# Altium PCB ASP-1.PcbDoc (part 1 of 3)
Units mm, origin at the board's own origin, x right, y up, seen from the top; angles counter-clockwise.
Board outline 240 x 170 mm, 2 copper layers (Top Layer, Bottom Layer); 307 components, 287 nets, 1387 pads, 381 vias.
Unrouted connection lines stored in the file: 2.
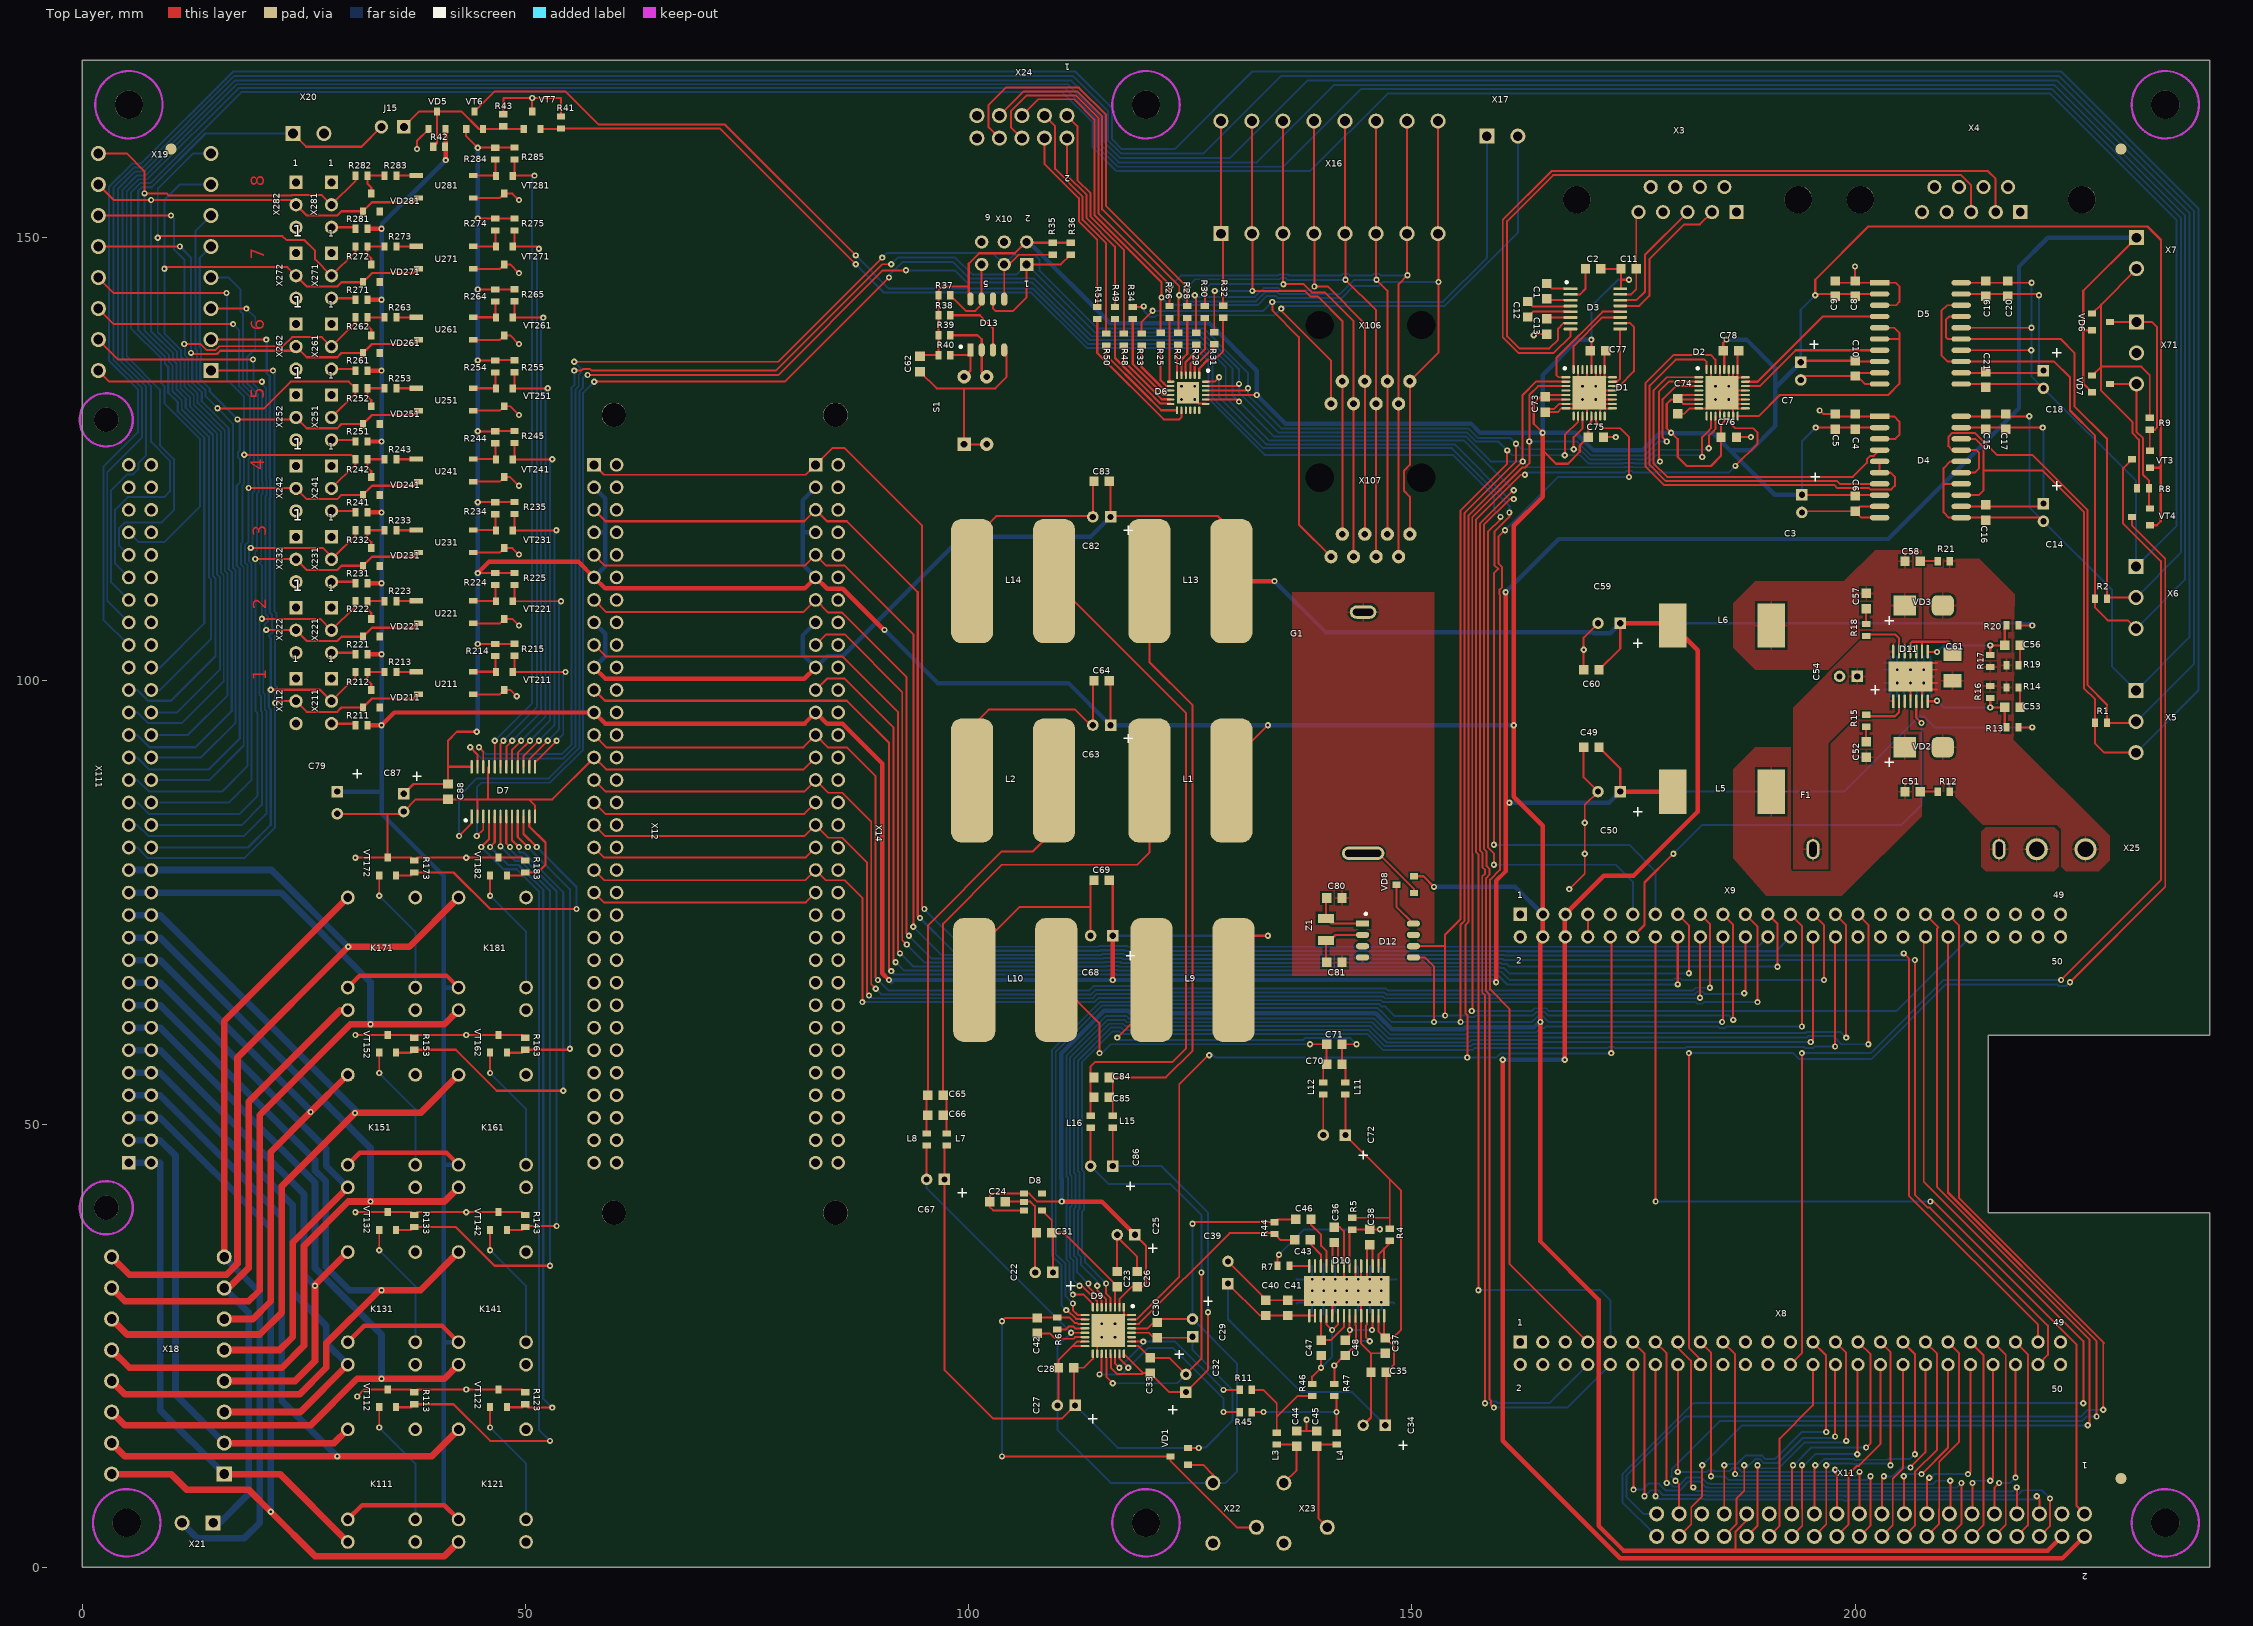
[diagram p0: Top Layer view]
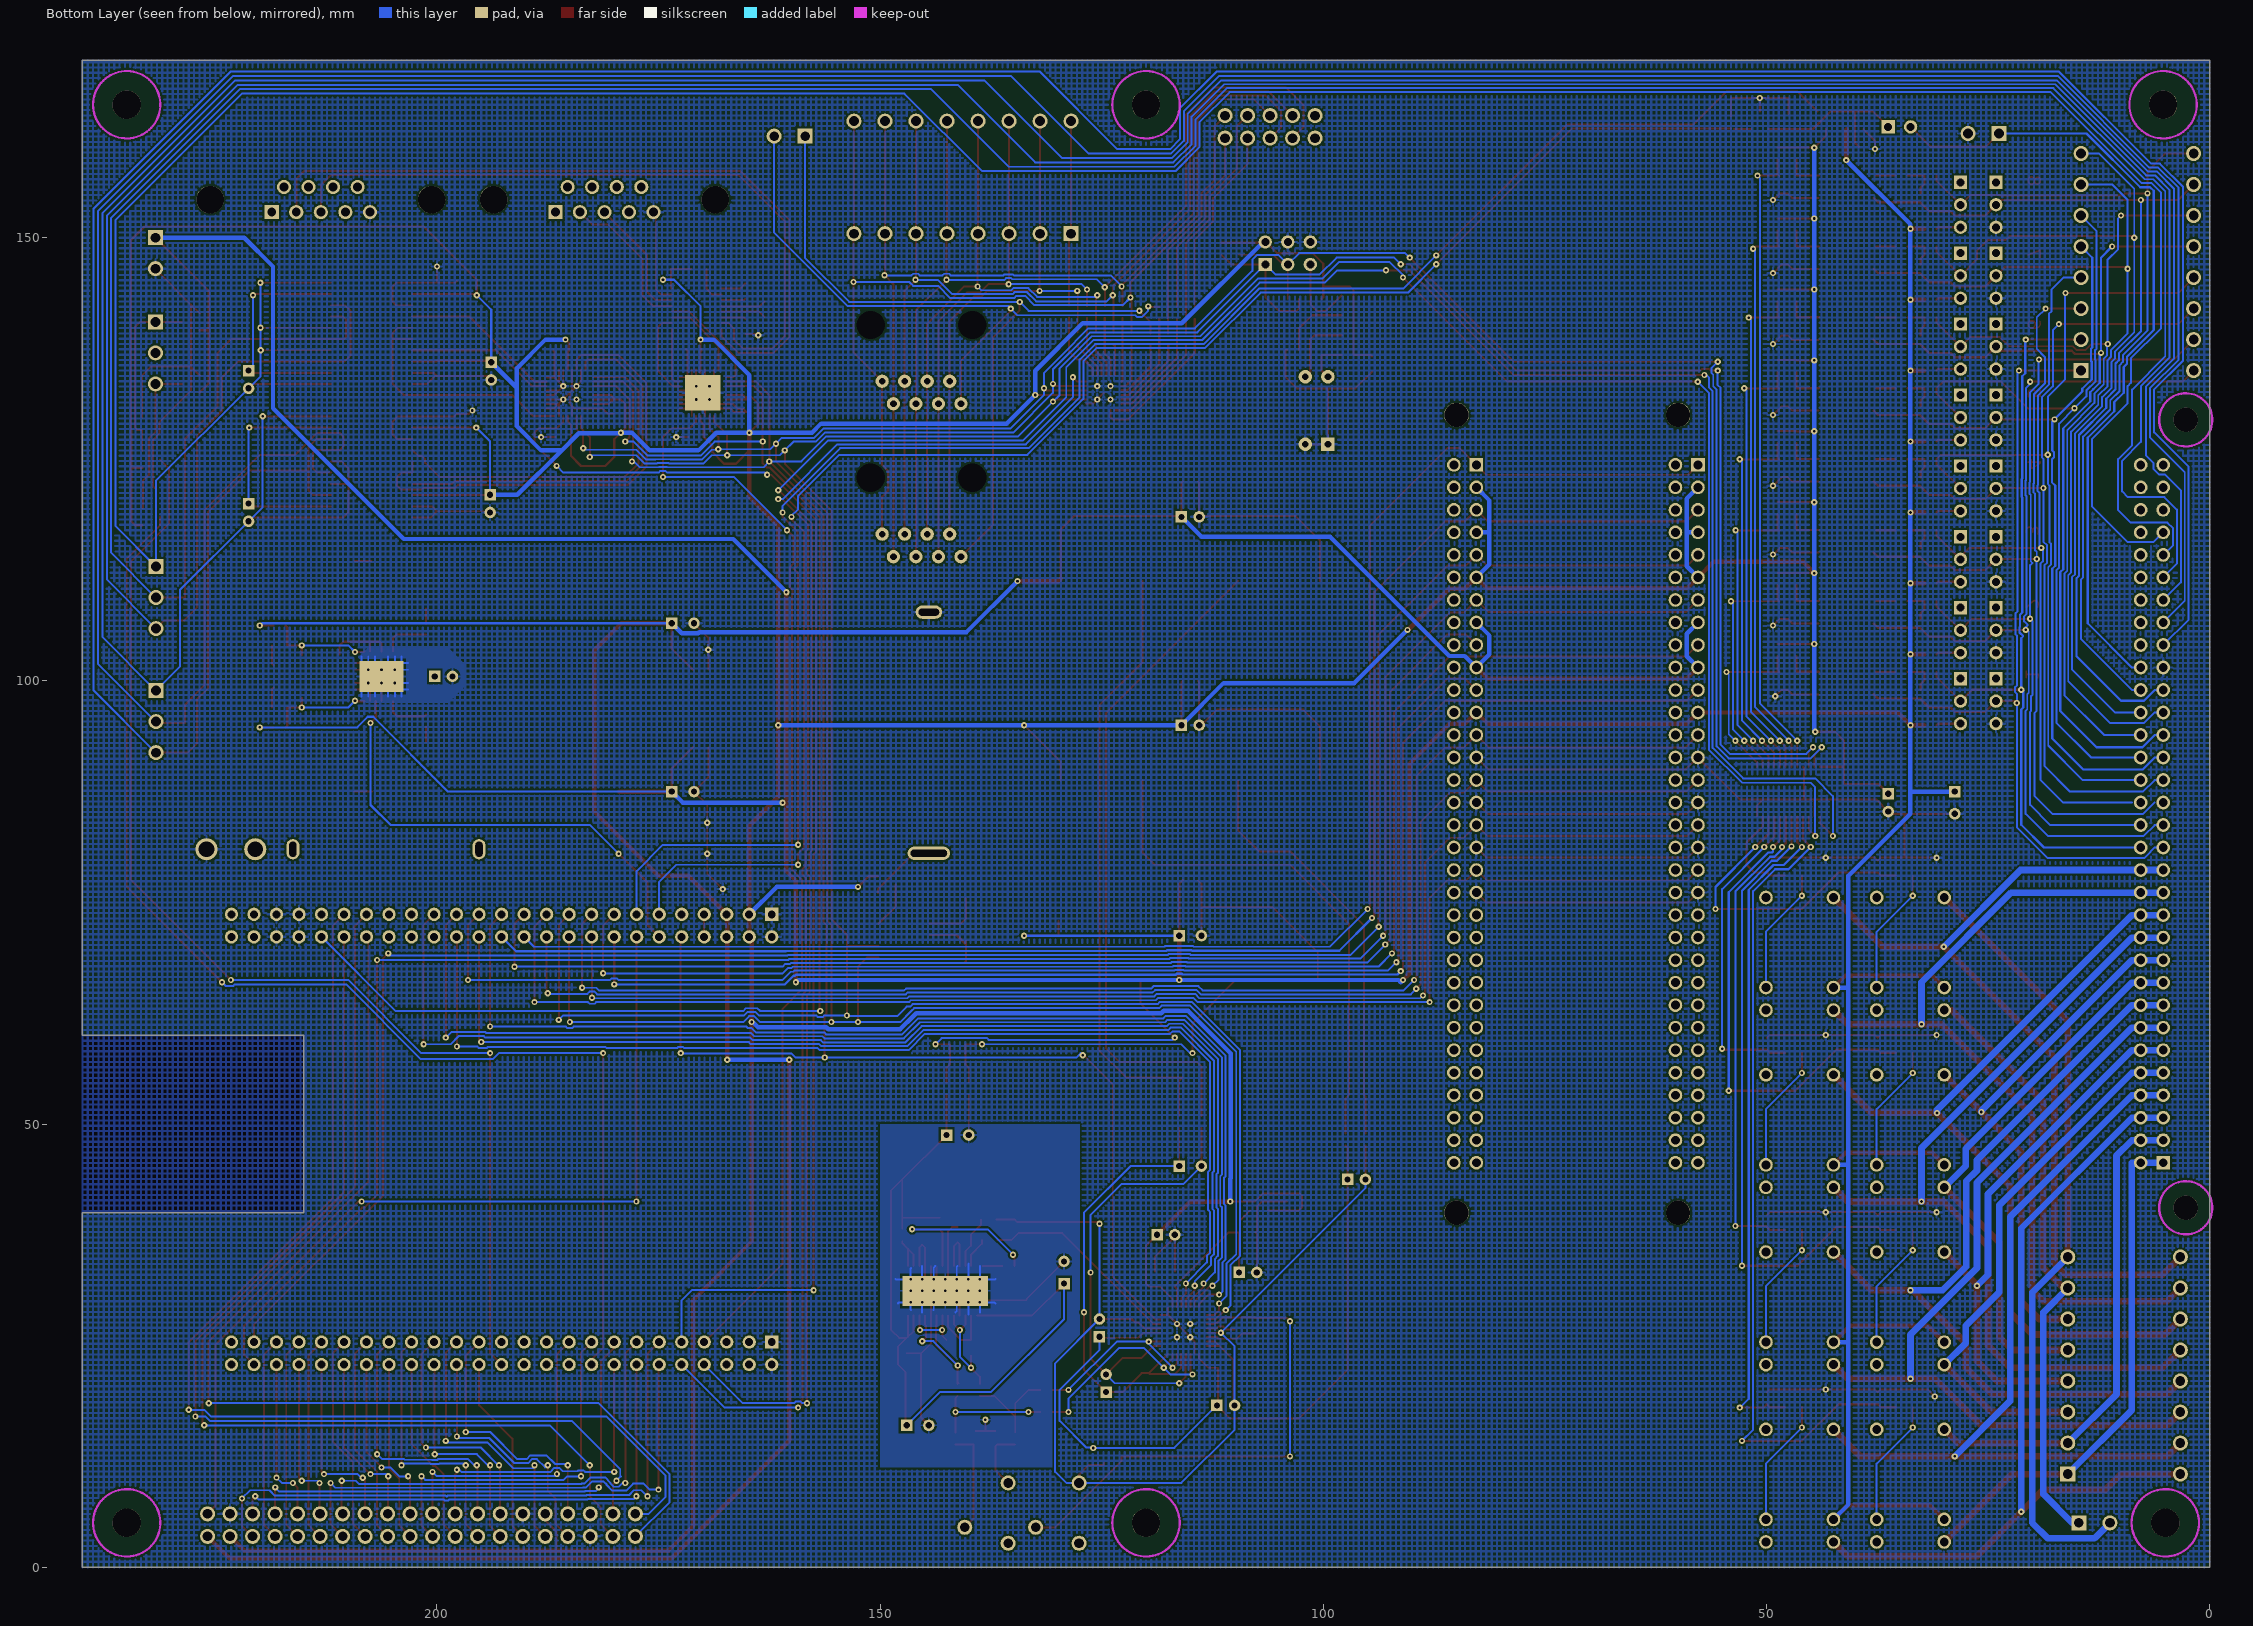
[diagram p1: Bottom Layer view, seen from below]

## Layer stack, top to bottom
Top Solder: solder mask 0.0102, Solder Resist, Dk 3.5
Top Layer: signal copper 0.0356
Dielectric 1: dielectric 0.32, FR-4, Dk 4.8
Bottom Layer: signal copper 0.0356
Bottom Solder: solder mask 0.0102, Solder Resist, Dk 3.5

## Board outline
0,0 0,170 240,170 240,60 215,60 215,40 240,40 240,0

## Design rules (kind name [scope] priority, off if disabled: settings)
Clearance [All] p1: gap=0.22
HoleSize [All] p1: absolutevalues=TRUE maxlimit=5 minlimit=0.3 maxpercent=80.000 minpercent=20.000
HoleToHoleClearance [All] p1: gap=0.25 allowstackedmicrovias=TRUE
MinimumSolderMaskSliver [All] p1: minsoldermaskwidth=0.2
PolygonConnect [All] p1: connectstyle=Relief reliefconductorwidth=0.254 reliefentries=4 polygonreliefangle="90 Angle" airgapwidth=0.254
RoomDefinition 26 [InComponentClass('26')] p1: confinementstyle=ConfineIn formatcopy=TRUE lockcomponents=FALSE outline 21.25,133.46 51.25,133.46 51.25,145.46 21.25,145.46
RoomDefinition 25 [InComponentClass('25')] p2: confinementstyle=ConfineIn formatcopy=TRUE lockcomponents=FALSE outline 21.25,125.46 51.25,125.46 51.25,137.46 21.25,137.46
RoomDefinition 24 [InComponentClass('24')] p3: confinementstyle=ConfineIn formatcopy=TRUE lockcomponents=FALSE outline 21.25,117.46 51.25,117.46 51.25,129.46 21.25,129.46
RoomDefinition 23 [InComponentClass('23')] p4: confinementstyle=ConfineIn formatcopy=TRUE lockcomponents=FALSE outline 21.25,109.46 51.25,109.46 51.25,121.46 21.25,121.46
RoomDefinition 22 [InComponentClass('22')] p5: confinementstyle=ConfineIn formatcopy=TRUE lockcomponents=FALSE outline 21.25,101.46 51.25,101.46 51.25,113.46 21.25,113.46
RoomDefinition 21 [InComponentClass('21')] p6: confinementstyle=ConfineIn formatcopy=TRUE lockcomponents=FALSE outline 21.25,93.46 51.25,93.46 51.25,105.46 21.25,105.46
RoomDefinition 18 [InComponentClass('18')] p7: confinementstyle=ConfineIn formatcopy=TRUE lockcomponents=FALSE outline 52.31,80.85 40.31,80.85 40.31,60.85 52.31,60.85
RoomDefinition 17 [InComponentClass('17')] p8: confinementstyle=ConfineIn formatcopy=TRUE lockcomponents=FALSE outline 39.81,80.85 27.81,80.85 27.81,60.85 39.81,60.85
RoomDefinition 16 [InComponentClass('16')] p9: confinementstyle=ConfineIn formatcopy=TRUE lockcomponents=FALSE outline 52.31,60.85 40.31,60.85 40.31,40.85 52.31,40.85
RoomDefinition 15 [InComponentClass('15')] p10: confinementstyle=ConfineIn formatcopy=TRUE lockcomponents=FALSE outline 39.81,60.85 27.81,60.85 27.81,40.85 39.81,40.85
RoomDefinition 14 [InComponentClass('14')] p11: confinementstyle=ConfineIn formatcopy=TRUE lockcomponents=FALSE outline 52.31,40.85 40.31,40.85 40.31,20.85 52.31,20.85
RoomDefinition 13 [InComponentClass('13')] p12: confinementstyle=ConfineIn formatcopy=TRUE lockcomponents=FALSE outline 39.81,40.85 27.81,40.85 27.81,20.85 39.81,20.85
RoomDefinition 12 [InComponentClass('12')] p13: confinementstyle=ConfineIn formatcopy=TRUE lockcomponents=FALSE outline 52.31,20.85 40.31,20.85 40.31,0.85 52.31,0.85
RoomDefinition 11 [InComponentClass('11')] p14: confinementstyle=ConfineIn formatcopy=TRUE lockcomponents=FALSE outline 39.81,20.85 27.81,20.85 27.81,0.85 39.81,0.85
RoomDefinition 27 [InComponentClass('27')] p15: confinementstyle=ConfineIn formatcopy=TRUE lockcomponents=FALSE outline 21.25,141.46 51.25,141.46 51.25,153.46 21.25,153.46
RoomDefinition 28 [InComponentClass('28')] p16: confinementstyle=ConfineIn formatcopy=TRUE lockcomponents=FALSE outline 21.25,149.46 51.25,149.46 51.25,161.46 21.25,161.46
RoomDefinition RTC [InComponentClass('RTC')] p17: confinementstyle=ConfineIn formatcopy=TRUE lockcomponents=FALSE outline 133.25,69.45 155.25,69.45 155.25,109.45 133.25,109.45
RoomDefinition Power [InComponentClass('Power')] p18: confinementstyle=ConfineIn formatcopy=TRUE lockcomponents=FALSE outline 171.275,74.95 177.25,74.95 177.25,107.5 171.275,107.5
RoomDefinition Audio [InComponentClass('Audio')] p19: confinementstyle=ConfineIn formatcopy=TRUE lockcomponents=FALSE outline 104.3,-0.3 146.3,-0.3 146.3,43.7 104.3,43.7
RoutingVias [All] p1: holewidth=0.3 width=0.7 viastyle="Through Hole" minholewidth=0.3 minwidth=0.7 maxholewidth=1.6 maxwidth=2.4
SilkToSilkClearance [All] p1: silktosilkclearance=0.15
SilkToSolderMaskClearance [IsPad] p1: minsilkscreentomaskgap=0.15 clearancetoexposedcopper=TRUE
SolderMaskExpansion [All] p1: expansion=0.075
Width [All] p1: maxlimit=3 minlimit=0.22 preferedwidth=0.22
25 further rules are at their usual default settings.

## Classes and differential pairs
component class Audio: C22 C23 C24 C25 C26 C27 C28 C29 C30 C31 C32 C33 C34 C35 C36 C37 C38 C39 C40 C41 C42 C43 C44 C45 C46 C47 C48 D8 D9 D10 L3 L4 R4 R5 R6 R7 R11 R44 R45 R46 R47 VD1 X22 X23
component class BBB: 21 C62 D13 R35 R36 R37 R38 R39 R40 S1 X8 X9 X10 X11 X12 X14
component class decoupling: C63 C64 C65 C66 C67 C68 C69 C70 C71 C72 C82 C83 C84 C85 C86 L1 L2 L7 L8 L9 L10 L11 L12 L13 L14 L15 L16
component class IO: C79 C87 C88 D6 D7 J15 R25 R26 R27 R28 R29 R30 R31 R32 R33 R34 R41 R42 R43 R48 R49 R50 R51 VD5 VT6 VT7 X16 X17 X18 X19 X20 X21 X24 X106 X107 X111
component class Power: C49 C50 C51 C52 C53 C54 C56 C57 C58 C59 C60 C61 D11 F1 L5 L6 R12 R13 R14 R15 R16 R17 R18 R19 R20 R21 VD2 VD3 X25
component class 11: K111 R113 VT112
component class 12: K121 R123 VT122
component class 13: K131 R133 VT132
component class 14: K141 R143 VT142
component class 15: K151 R153 VT152
component class 16: K161 R163 VT162
component class 17: K171 R173 VT172
component class 18: K181 R183 VT182
component class RTC: C80 C81 D12 G1 VD8 Z1
component class 21: R211 R212 R213 R214 R215 U211 VD211 VT211 X211 X212
component class 22: R221 R222 R223 R224 R225 U221 VD221 VT221 X221 X222
component class 23: R231 R232 R233 R234 R235 U231 VD231 VT231 X231 X232
component class 24: R241 R242 R243 R244 R245 U241 VD241 VT241 X241 X242
component class 25: R251 R252 R253 R254 R255 U251 VD251 VT251 X251 X252
component class 26: R261 R262 R263 R264 R265 U261 VD261 VT261 X261 X262
component class 27: R271 R272 R273 R274 R275 U271 VD271 VT271 X271 X272
component class 28: R281 R282 R283 R284 R285 U281 VD281 VT281 X281 X282
component class "Serial buses": C1 C2 C3 C4 C5 C6 C7 C8 C9 C10 C11 C12 C13 C14 C15 C16 C17 C18 C19 C20 C21 C73 C74 C75 C76 C77 C78 D1 D2 D3 D4 D5 R1 R2 R8 R9 VD6 VD7 VT3 VT4 X3 X4 X5 X6 X7 X71
channel class Relay: 11 12 13 14 15 16 17 18 RL9 RL10
channel class Sensor: 21 22 23 24 25 26 27 28

## Components (designator, comment, footprint, x,y, rotation, side; value= is the part's Value field where it differs from the comment)
C1 "0.1μ" C0603 165.2,143.975 r270 top
C2 "0.1μ" C0603 170.45,146.475 r0 top
C3 "10μF" RAD-2-5-11 194,120 r180 top
C4 "0.01μ" C0603 200,129.25 r90 top
C5 "0.1μ" C0603 197.75,129.25 r90 top
C6 "0.1μ" C0603 200,120 r270 top
C7 "10μF" RAD-2-5-11 193.875,134.952 r180 top
C8 "0.01μ" C0603 200,144.25 r90 top
C9 "0.1μ" C0603 197.75,144.25 r90 top
C10 "0.1μ" C0603 200,135.25 r270 top
C11 "0.1μ" C0603 174.45,146.475 r180 top
C12 "0.1μ" C0603 163.05,141.925 r270 top
C13 "0.1μ" C0603 165.2,139.975 r90 top
C14 "10μF" RAD-2-5-11 221.25,119 r180 top
C15 "0.01μ" C0603 214.75,129.25 r270 top
C16 "0.1μ" C0603 214.75,119 r90 top
C17 "0.1μ" C0603 217,129.25 r270 top
C18 "10μF" RAD-2-5-11 221.25,134 r180 top
C19 "0.1μ" C0603 214.75,144.25 r270 top
C20 "0.1μ" C0603 217.25,144.25 r270 top
C21 "0.1μ" C0603 214.75,134 r90 top
C22 "22μF" RAD-2-5-11 108.5,33.25 r90 top
C23 "0.1μ" C0603 116.75,32.5 r270 top
C24 "1μF" C0603 103.25,41.25 r180 top
C25 "22μF" RAD-2-5-11 117.75,37.5 r90 top
C26 "0.1μ" C0603 119,32.5 r270 top
C27 "22μF" RAD-2-5-11 111,18.25 r90 top
C28 "0.1μ" C0603 111,22.5 r0 top
C29 "22μF" RAD-2-5-11 125.25,27 r0 top
C30 "0.1μ" C0603 121.25,26.75 r270 top
C31 "1μF" C0603 108.5,37.75 r0 top
C32 "22μF" RAD-2-5-11 124.5,20.75 r0 top
C33 "0.1μ" C0603 120.5,22.75 r270 top
C34 "100μF" RAD-2.5-6.3-11 145.75,16 r90 top
C35 "0.1μ" C0603 146.25,22 r0 top
C36 "1μF" C0603 141.25,37.5 r270 top
C37 "1000p" C0603 147,25 r90 top
C38 "1μF" C0603 145.25,37.25 r90 top
C39 "100μF" RAD-2.5-6.3-11 129.25,33.25 r0 top
C40 "0.1μ" C0603 133.5,29.25 r270 top
C41 "1000p" C0603 136,29.25 r270 top
C42 "1μF" C0603 107.75,27.25 r270 top
C43 "1μF" C0603 137.65,36.925 r180 top
C44 "1000p" C0603 137,14.5 r90 top
C45 "1000p" C0603 139.25,14.5 r90 top
C46 "1μF" C0603 137.75,39.25 r180 top
C47 "1μF" C0603 139.75,24.75 r90 top
C48 "1μF" C0603 142.5,24.75 r90 top
C49 "0.047μF" C0603 170.25,92.5 r0 top
C50 "100μF" RAD-2.5-6.3-11 172.25,87.5 r90 top
C51 "470pF" C0603 206.5,87.5 r180 top
C52 "0.047μF" C0603 201.25,92.25 r90 top
C53 "0.047μF" C0603 217.75,97 r180 top
C54 "10μF" RAD-2-5-11 199.25,100.5 r90 top
C56 "0.047μF" C0603 217.75,104 r180 top
C57 "0.047μF" C0603 201.25,109 r90 top
C58 "470pF" C0603 206.5,113.5 r180 top
C59 "100μF" RAD-2.5-6.3-11 172.25,106.5 r90 top
C60 "0.047μF" C0603 170.25,101.25 r0 top
C61 "4.7μF" C1206 211,101.5 r270 top
C62 "0.1μ" C0603 94.5,135.75 r270 top
C63 "10μF" RAD-2-5-11 115,95 r90 top
C64 "0.1μ" C0603 115,100 r0 top
C65 "0.1μ" C0603 96.25,53.25 r0 top
C66 "0.01μ" C0603 96.25,51 r0 top
C67 "10μF" RAD-2-5-11 96.25,43.75 r90 top
C68 "100μF" RAD-2.5-6.3-11 115,71.25 r90 top
C69 "0.1μ" C0603 115,77.5 r0 top
C70 "0.1μ" C0603 141.25,56.75 r0 top
C71 "0.01μ" C0603 141.25,59 r0 top
C72 "100μF" RAD-2.5-6.3-11 141.25,48.75 r90 top
C73 "0.1μ" C0603 165.05,131.175 r90 top
C74 "0.1μ" C0603 180,131 r90 top
C75 "0.1μ" C0603 170.75,127.5 r180 top
C76 "0.1μ" C0603 185.75,127.5 r180 top
C77 "0.1μ" C0603 171,137.25 r180 top
C78 "0.1μ" C0603 186,137.25 r180 top
C79 "100μF" RAD-2.5-6.3-11 28.75,86.25 r180 top
C80 "20p" C0603 141.25,75.5 r0 top
C81 "20p" C0603 141.25,68.25 r0 top
C82 "10μF" RAD-2-5-11 115,118.5 r90 top
C83 "0.1μ" C0603 115,122.5 r0 top
C84 "0.1μ" C0603 115,55.25 r0 top
C85 "0.01μ" C0603 115,53 r0 top
C86 "100μF" RAD-2.5-6.3-11 115,45.25 r90 top
C87 "10μF" RAD-2-5-11 36.25,86.25 r180 top
C88 "0.1μ" C0603 41.25,87.5 r90 top
D1 "SC16IS752IBS" HVQFN32 170,132.5 r0 top
D2 "SC16IS752IBS" HVQFN32 185,132.5 r0 top
D3 "TRS3232ECPW" TSSOP16 170.7,141.975 r0 top
D4 "ADM2587E" "SO20 300mil" 207.375,124.127 r0 top
D5 "ADM2587E" "SO20 300mil" 207.375,139.202 r0 top
D6 "TCA8418RTWR" WQFN24 124.75,132.5 r270 top
D7 "TCA9539PWR" TSSOP24 47.5,87.5 r90 top
D8 "MIC5365" sot25 107.25,41.2 r90 top
D9 "TLV320AIC3100IRHBR" HVQFN32 115.75,26.7 r270 top
D10 "TPA3111D1PWPR" HTSSOP28 142.65,31.175 r270 top
D11 "TPS54383PWPR" HTSSOP14 206.25,100.5 r90 top
D12 "NXP RTC" "soic8 4mm" 147.3,70.7 r0 top
D13 "CAT24C256" "SOIC8 4mm" 102.1,140.2 r90 top
F1 "Fuse 1" "Fuse hld fh-101" 205.75,81 r180 top
G1 "Battery" "BATHLD MPD BC2032-E2" 144.5,94.15 r90 top
J15 "Jumper" HDR2X1 35,162.5 r270 top
K111 "Relay-SPST" TRB 33.75,9.2 r0 top (schematic designator K1)
K121 "Relay-SPST" TRB 46.25,9.2 r0 top (schematic designator K1)
K131 "Relay-SPST" TRB 33.75,29.2 r0 top (schematic designator K1)
K141 "Relay-SPST" TRB 46.25,29.2 r0 top (schematic designator K1)
K151 "Relay-SPST" TRB 33.75,49.2 r0 top (schematic designator K1)
K161 "Relay-SPST" TRB 46.25,49.2 r0 top (schematic designator K1)
K171 "Relay-SPST" TRB 33.75,69.2 r0 top (schematic designator K1)
K181 "Relay-SPST" TRB 46.25,69.2 r0 top (schematic designator K1)
L1 "SDR1307-331KL" SDR1307 125,88.75 r180 top
L2 "SDR1307-331KL" SDR1307 105,88.75 r0 top
L3 "BLM18KG221SN1" I0603 134.75,14.5 r270 top
L4 "BLM18KG221SN1" I0603 141.5,14.5 r270 top
L5 "47μH" SRP1265A 185,87.5 r0 top
L6 "47uH" SRP1265A 185,106.25 r180 top
L7 "BLM18KG221SN1" I0603 97.5,48.25 r270 top
L8 "BLM18KG221SN1" I0603 95.25,48.25 r270 top
L9 "SDR1307-331KL" SDR1307 125.25,66.25 r180 top
L10 "SDR1307-331KL" SDR1307 105.25,66.25 r0 top
L11 "BLM18KG221SN1" I0603 142.5,54 r270 top
L12 "BLM18KG221SN1" I0603 140,54 r270 top
L13 "SDR1307-331KL" SDR1307 125,111.25 r180 top
L14 "SDR1307-331KL" SDR1307 105,111.25 r0 top
L15 "BLM18KG221SN1" I0603 116.25,50.25 r270 top
L16 "BLM18KG221SN1" I0603 113.75,50.25 r270 top
R1 "120" R0603 227.75,95.25 r180 top
R2 "120" R0603 227.75,109.25 r180 top
R4 "100k" R0603 147.5,37.5 r270 top
R5 "10" R0603 143.25,38.75 r270 top
R6 "2.2K" R0603 110,27.5 r90 top
R7 "100K" R0603 135.5,34 r180 top
R8 "10K" R0603 232.5,121.75 r180 top
R9 "10K" R0603 233.25,129 r90 top
R11 "Res3" R0603 131.25,20 r180 top
R12 "10" R0603 210,87.5 r180 top
R13 "47K" R0603 217.75,94.75 r0 top
R14 "0" R0603 217.75,99.25 r0 top
R15 "0" R0603 201.25,95.5 r90 top
R16 "3.3K" R0603 215.25,98.75 r270 top
R17 "820" R0603 215.25,102.25 r90 top
R18 "0" R0603 201.25,105.75 r90 top
R19 "0" R0603 217.75,101.75 r0 top
R20 "4.3K" R0603 217.75,106.25 r180 top
R21 "10" R0603 210,113.5 r180 top
R25 "1K" R0603 121.65,138.6 r90 top
R26 "1K" R0603 122.65,141.6 r90 top
R27 "1K" R0603 123.65,138.6 r90 top
R28 "1K" R0603 124.65,141.6 r90 top
R29 "1K" R0603 125.65,138.6 r90 top
R30 "1K" R0603 126.65,141.6 r90 top
R31 "1K" R0603 127.7,138.65 r90 top
R32 "1K" R0603 128.7,141.65 r90 top
R33 "1K" R0603 119.5,138.5 r90 top
R34 "1K" R0603 118.5,141.5 r90 top
R35 "4.7K" R0603 109.5,148.75 r90 top
R36 "4.7K" R0603 111.5,148.75 r90 top
R37 "4.7K" R0603 97.25,143.5 r180 top
R38 "4.7K" R0603 97.25,141.25 r180 top
R39 "4.7K" R0603 97.25,139 r180 top
R40 "4.7K" R0603 97.25,136.75 r180 top
R41 "1K" R0603 54,163 r270 top
R42 "4.7K" R0603 40.25,160.25 r0 top
R43 "47K" R0603 47.5,163.25 r270 top
R44 "100k" R0603 134.5,38.25 r270 top
R45 "Res3" R0603 131.25,17.5 r0 top
R46 "Res3" R0603 138.75,20 r270 top
R47 "Res3" R0603 141.25,20 r270 top
R48 "1K" R0603 117.5,138.5 r90 top
R49 "1K" R0603 116.5,141.5 r90 top
R50 "1K" R0603 115.5,138.5 r90 top
R51 "1K" R0603 114.5,141.5 r90 top
R113 "10K" R0603 37.44,19.05 r270 top (schematic designator R3)
R123 "10K" R0603 49.94,19.05 r270 top (schematic designator R3)
R133 "10K" R0603 37.44,39.05 r270 top (schematic designator R3)
R143 "10K" R0603 49.94,39.05 r270 top (schematic designator R3)
R153 "10K" R0603 37.44,59.05 r270 top (schematic designator R3)
R163 "10K" R0603 49.94,59.05 r270 top (schematic designator R3)
R173 "10K" R0603 37.44,79.05 r270 top (schematic designator R3)
R183 "10K" R0603 49.94,79.05 r270 top (schematic designator R3)
R211 "510" R0603 31.5,95 r180 top (schematic designator R1)
R212 "510" R0603 31.5,101 r180 top (schematic designator R2)
R213 "510" R0603 34.75,101 r180 top (schematic designator R3)
R214 "4.7K" R0603 46.6,103.48 r90 top (schematic designator R4)
R215 "4.7K" R0603 48.75,103.5 r90 top (schematic designator R5)
R221 "510" R0603 31.5,103 r180 top (schematic designator R1)
R222 "510" R0603 31.5,109 r180 top (schematic designator R2)
R223 "510" R0603 34.75,109 r180 top (schematic designator R3)
R224 "4.7K" R0603 46.6,111.48 r90 top (schematic designator R4)
R225 "4.7K" R0603 48.75,111.5 r90 top (schematic designator R5)
R231 "510" R0603 31.5,111 r180 top (schematic designator R1)
R232 "510" R0603 31.5,117 r180 top (schematic designator R2)
R233 "510" R0603 34.75,117 r180 top (schematic designator R3)
R234 "4.7K" R0603 46.6,119.48 r90 top (schematic designator R4)
R235 "4.7K" R0603 48.75,119.5 r90 top (schematic designator R5)
R241 "510" R0603 31.5,119 r180 top (schematic designator R1)
R242 "510" R0603 31.5,125 r180 top (schematic designator R2)
R243 "510" R0603 34.75,125 r180 top (schematic designator R3)
R244 "4.7K" R0603 46.6,127.48 r90 top (schematic designator R4)
R245 "4.7K" R0603 48.75,127.5 r90 top (schematic designator R5)
R251 "510" R0603 31.5,127 r180 top (schematic designator R1)
R252 "510" R0603 31.5,133 r180 top (schematic designator R2)
R253 "510" R0603 34.75,133 r180 top (schematic designator R3)
R254 "4.7K" R0603 46.6,135.48 r90 top (schematic designator R4)
R255 "4.7K" R0603 48.75,135.5 r90 top (schematic designator R5)
R261 "510" R0603 31.5,135 r180 top (schematic designator R1)
R262 "510" R0603 31.5,141 r180 top (schematic designator R2)
R263 "510" R0603 34.75,141 r180 top (schematic designator R3)
R264 "4.7K" R0603 46.6,143.48 r90 top (schematic designator R4)
R265 "4.7K" R0603 48.75,143.5 r90 top (schematic designator R5)
R271 "510" R0603 31.5,143 r180 top (schematic designator R1)